# KiCad board pcb.kicad_pcb (continued)
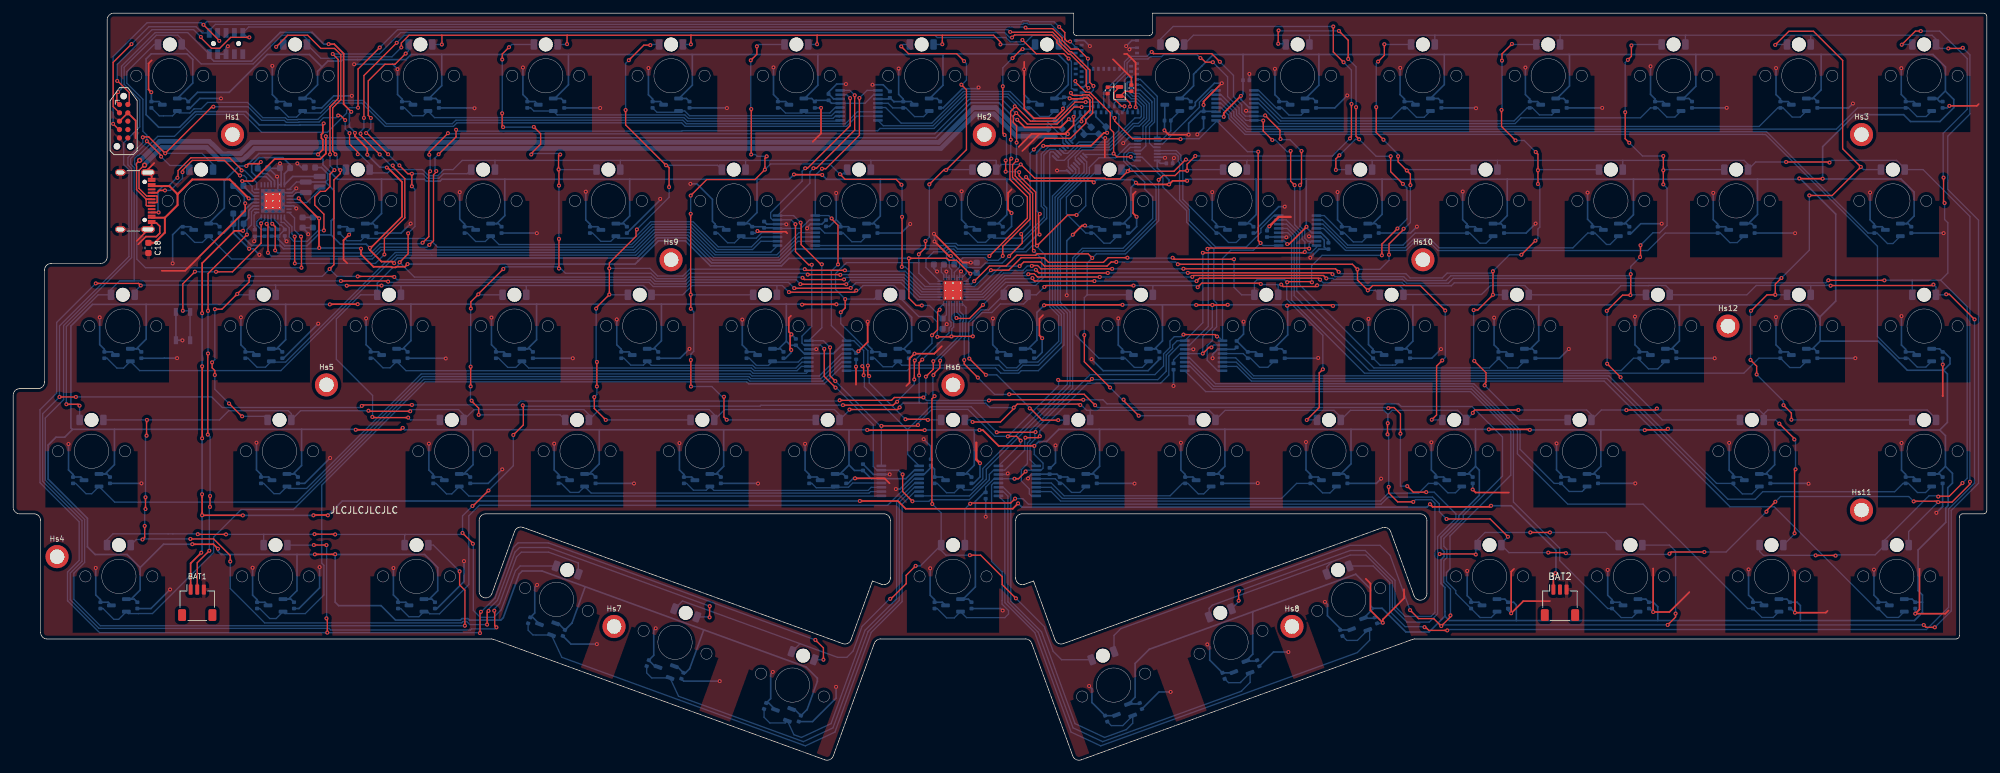
[diagram p0: board, top side]
## Routing (per net, layer and track width the routed paths; a pad name or vN(x,y) marks a point on that pad's centre or on a via; arc(x,y) is an arc through that point) (continued)
/AIN0: length 22
  Bottom w0.2: MUXA1.4 161.03,91.09 161.03,91.53 162.09,92.59 166.36,92.59 169.97,96.2 170.74,96.2 171.85,97.32 171.85,99.46 170.56,100.76 169.75,100.76 168.92,101.59 168.9,101.59 168.9,102.6 168.9,102.6 168.9,102.8 169,102.9 MDBT1.11
/AIN1: length 24.4
  Bottom w0.2: MDBT1.9 169,103.7 168.5,103.19 168.5,101.39 169.53,100.36 170.39,100.36 171.45,99.3 171.45,97.48 170.57,96.6 169.81,96.6 166.19,92.99 161.93,92.99 159.97,91.03 159.97,90.03 MUXA1.7
/AIN2: length 13.2
  Bottom w0.2: MDBT1.20 167.65,98 167.65,95.58 165.86,93.79 161.59,93.79 159.87,92.06 159.35,92.06 MUXA1.12
/AIN3: length 22.6
  Bottom w0.2: MUXA1.9 158.29,91 159.38,91 161.76,93.39 166.02,93.39 170.08,97.45 170.85,97.45 171.05,97.65 171.05,99.13 170.23,99.96 167.21,99.96 166.95,99.7 MDBT1.21
/AIN4: length 10.8
  Bottom w0.2: MDBT1.13 169.5,101.58 169.92,101.16 170.72,101.16 172.25,99.63 172.25,97.15 171.3,96.2 171.3,94.26 171.03,93.99 MUXA2.7 170.43,93.95
/AIN5: length 10.4
  Bottom w0.2: MDBT1.10 170.9,103.3 173.47,100.73 MUXA2.9
/AIN6: length 11.7
  Bottom w0.2: MUXA2.4 171.03,92.49 171.74,93.19 171.74,96.07 172.65,96.99 172.65,99.79 172.65,99.79 172.65,99.94 170.9,101.7 MDBT1.14
/AIN7: length 12
  Bottom w0.2: MDBT1.12 170.9,102.5 173.05,100.34 173.05,96.82 172.29,96.05 172.29,93.61 172.91,92.99 MUXA2.12
/ANA_01: length 116.4
  Bottom w0.2: MUXB1.7 127.91,97.72 126.35,96.16 101.89,96.16 101.36,96.69 67.28,96.69 66.75,96.16 56.42,96.16 52.89,99.7 48.68,99.7 46.21,97.23 43.18,97.23 43.13,97.18 41.57,97.18 41.27,97.48 37.84,97.48 35.52,99.8 29.47,99.8 28.5,98.83 27.43,98.83 26.8,98.2 25.19,98.2 TMR1.2 24.16,97.77 22.76,97.77 22.76,97.76 22.16,97.76 Cvout1.1
/ANA_02: length 95.7
  Bottom w0.2: Cvout2.1 40.35,98.97 41.74,97.58 42.97,97.58 TMR2.2 44.19,98.2 46.62,98.2 48.52,100.1 53.06,100.1 56.59,96.56 66.59,96.56 67.12,97.09 101.53,97.09 102.06,96.56 126.19,96.56 127.99,98.37 MUXB1.6
/ANA_03: length 67.9
  Bottom w0.2: MUXB1.9 125.28,96.97 102.22,96.97 101.69,97.49 63.89,97.49 TMR3.2 62.17,97.78 60.54,97.78 59.35,98.97 Cvout3.1
/ANA_04: length 48.5
  Bottom w0.2: Cvout4.1 78.47,98.97 78.94,98.5 TMR4.2 82.49,97.89 101.86,97.89 102.39,97.37 124.3,97.37 124.65,97.72 MUXB1.10 125.24,97.57
/ANA_05: length 29.5
  Bottom w0.2: 125.24,98.22 MUXB1.11 124.65,98.37 124.06,97.78 102.55,97.78 101.83,98.5 TMR5.2 100.7,98.31 97.61,98.31 Cvout5.1
/ANA_06: length 10.4
  Bottom w0.2: Cvout6.1 116.33,98.97 117.11,98.19 119.58,98.19 TMR6.2 120.19,98.2 123.82,98.2 124.64,99.02 MUXB1.12
/ANA_07: length 9
  Bottom w0.2: MUXB1.4 132.67,99.67 133.37,98.97 Cvout7.1 135.35,98.97 136.67,97.65 138.04,97.65 TMR7.2
/ANA_08: length 31.7
  Bottom w0.2: TMR8.2 157.06,97.67 155.64,97.67 154.34,98.97 Cvout8.1 153.64,98.97 151.15,101.46 144.09,101.46 139.29,96.66 134.64,96.66 132.28,99.02 MUXB1.5
/ANA_09: length 6.3
  Bottom w0.2: MUXA2.10 174.03,93.99 175.53,95.49 Cvout9.1 175.53,97.14 TMR9.2
/ANA_10: length 9.6
  Bottom w0.2: TMR10.2 195.27,97.88 193.44,97.88 192.35,98.97 Cvout10.1 191.5,98.97 188.85,101.62 MUXB5.9
/ANA_11: length 29.9
  Bottom w0.2: MUXB5.10 188.85,100.97 192.4,97.42 209,97.42 210.55,98.97 Cvout11.1 211.35,98.97 212.77,97.55 213.94,97.55 TMR11.2
/ANA_12: length 48.7
  Bottom w0.2: TMR12.2 233.29,97.9 231.42,97.9 230.35,98.97 Cvout12.1 229.55,98.97 227.57,96.99 192.18,96.99 188.85,100.32 MUXB5.11
/ANA_13: length 68
  Bottom w0.2: MUXB5.12 188.85,99.67 191.93,96.59 227.74,96.59 228.62,97.47 246.74,97.47 248.24,98.97 Cvout13.1 249.35,98.97 250.74,97.58 251.97,97.58 TMR13.2
/ANA_14: length 94
  Bottom w0.2: TMR14.2 270.97,97.58 269.74,97.58 268.35,98.97 Cvout14.1 267.55,98.97 264.73,96.15 187.27,96.15 185.48,97.93 185.48,98.62 183.12,100.97 MUXB5.7
/ANA_15: length 113
  Bottom w0.2: TMR15.2 290.05,97.66 288.66,97.66 287.35,98.97 Cvout15.1 279.65,98.97 276.43,95.75 187.1,95.75 185.08,97.77 185.08,98.37 183.12,100.32 MUXB5.6
/ANA_16: length 103.2
  Bottom w0.2: MUXB2.5 119.14,80.02 115.79,76.67 106.41,76.67 102.59,80.49 97.16,80.49 94.08,77.41 55.82,77.41 54.44,76.03 33.11,76.03 TMR16.2 28.69,78.55 27.52,78.55 26.1,79.97 Cvout16.1
/ANA_17: length 71.2
  Bottom w0.2: MUXB2.9 114.88,77.07 106.58,77.07 102.76,80.89 96.99,80.89 93.93,77.83 64.35,77.83 63.36,78.82 62.67,78.82 62.34,79.15 53.74,79.15 TMR17.2 52.7,78.81 50.61,78.81 Cvout17.1
/ANA_18: length 52.2
  Bottom w0.2: MUXB2.10 113.36,78.72 112.11,77.47 106.74,77.47 102.92,81.29 96.83,81.29 93.77,78.23 73.66,78.23 TMR18.2 71.58,78.69 70.13,78.69 68.85,79.97 Cvout18.1
/ANA_19: length 32.6
  Bottom w0.2: Cvout19.1 87.85,79.97 89.11,78.71 90.6,78.71 TMR19.2 91.69,79.2 94.17,79.2 96.66,81.69 103.09,81.69 106.91,77.87 111.94,77.87 113.45,79.37 MUXB2.11
/ANA_20: length 10.9
  Bottom w0.2: MUXB2.12 113.5,80.02 112.68,79.2 110.69,79.2 TMR20.2 109.38,78.49 108.33,78.49 106.85,79.97 Cvout20.1
/ANA_21: length 9
  Bottom w0.2: MUXB2.4 122.35,80.67 123.05,79.97 Cvout21.1 125.85,79.97 127.17,78.65 128.54,78.65 TMR21.2
/ANA_22: length 28.3
  Bottom w0.2: MUXA1.13 159.3,92.81 158.76,93.35 157.25,93.35 155.88,91.97 155.88,84.04 156.31,83.61 156.31,82.37 153.13,79.2 148.69,79.2 TMR22.2 148.37,79.5 147.44,78.57 146.25,78.57 144.85,79.97 Cvout22.1
/ANA_23: length 27.2
  Bottom w0.2: MUXA2.6 169.22,93.49 167.13,91.4 164.64,91.4 163.17,89.93 163.17,88.9 159.69,85.42 159.69,82.9 162.62,79.97 Cvout23.1 163.85,79.97 165.39,78.43 166.32,78.43 TMR23.2
/ANA_24: length 22.9
  Bottom w0.2: MUXA2.13 176.35,92.49 177.05,91.79 177.05,91.01 177.35,90.71 177.35,85.06 182.45,79.97 Cvout24.1 182.85,79.97 184.28,78.54 185.43,78.54 TMR24.2
/ANA_25: length 9.8
  Bottom w0.2: TMR25.2 204.51,78.62 203.2,78.62 201.85,79.97 Cvout25.1 198.79,82.62 MUXB6.9
/ANA_26: length 30.2
  Bottom w0.2: MUXB6.10 198.51,81.97 202.34,78.14 210.74,78.14 212.57,79.97 Cvout26.1 220.85,79.97 222.39,78.43 223.32,78.43 TMR26.2
/ANA_27: length 50.6
  Bottom w0.2: MUXB6.11 198.59,81.32 202.18,77.74 211.03,77.74 212.4,79.11 214.82,79.11 216.21,77.72 236.49,77.72 238.74,79.97 Cvout27.1 239.85,79.97 241.58,78.24 242.13,78.24 TMR27.2
/ANA_28: length 69.4
  Bottom w0.2: TMR28.2 261.41,78.52 260.3,78.52 258.85,79.97 Cvout28.1 250.5,79.97 247.85,77.32 216.04,77.32 214.65,78.71 212.57,78.71 211.2,77.34 202.01,77.34 198.68,80.67 MUXB6.12
/ANA_29: length 113.3
  Bottom w0.2: TMR29.2 285.02,78.38 284.19,78.38 282.6,79.97 Cvout29.1 281.24,79.97 265.86,95.35 186.94,95.35 184.68,97.6 184.68,98.12 183.12,99.67 MUXB5.5
/ANA_30: length 120.7
  Bottom w0.2: MUXB2.7 118.98,78.72 116.12,75.87 106.08,75.87 102.29,79.66 97.46,79.66 94.41,76.61 63.46,76.61 58.11,76.61 40.59,59.09 19.17,59.09 TMR30.2 16.73,59.47 15.72,59.47 14.22,60.97 Cvout30.1
/ANA_31: length 98.4
  Bottom w0.2: MUXB2.6 119.06,79.37 115.96,76.27 106.25,76.27 102.45,80.06 97.3,80.06 94.24,77.01 63.29,77.01 57.93,77.01 41.31,60.38 39.25,60.38 TMR31.2 38.25,59.61 36.96,59.61 35.6,60.97 Cvout31.1
/ANA_32: length 68.4
  Bottom w0.2: MUXB3.9 120.24,58.68 112.19,58.68 111.8,59.07 59.56,59.07 TMR32.2 57.16,59.52 56.05,59.52 54.6,60.97 Cvout32.1
/ANA_33: length 49.2
  Bottom w0.2: MUXB3.10 119.5,59.72 118.86,59.08 112.36,59.08 111.95,59.48 78.15,59.48 TMR33.2 76.22,59.58 74.99,59.58 73.6,60.97 Cvout33.1
/ANA_34: length 29.9
  Bottom w0.2: MUXB3.11 119.59,60.37 118.69,59.48 112.52,59.48 112.11,59.89 96.75,59.89 TMR34.2 95.56,59.92 93.65,59.92 92.6,60.97 Cvout34.1
/ANA_35: length 10.5
  Bottom w0.2: MUXB3.12 119.67,61.02 119.04,60.38 115.25,60.38 TMR35.2 114.52,59.88 112.69,59.88 111.6,60.97 Cvout35.1
/ANA_36: length 60.8
  Bottom w0.2: MUXA1.6 161.12,89.59 161.12,89.11 157.58,85.58 157.58,68.93 158.93,67.59 158.93,63.34 155.48,59.89 153.09,59.89 152.3,59.1 150.28,59.1 149.47,59.91 134.72,59.91 TMR36.2 133.32,59.68 131.89,59.68 130.6,60.97 Cvout36.1
/ANA_37: length 42.2
  Bottom w0.2: MUXA1.10 158.24,91.75 157.7,92.29 157.32,92.29 157.16,92.12 157.16,91.84 157.14,91.82 157.14,91.51 157.16,91.49 157.16,68.79 158.53,67.42 158.53,63.53 155.38,60.38 153.25,60.38 TMR37.2 153.13,60.5 152.15,59.52 150.65,59.52 Cvout37.1
/ANA_38: length 53.5
  Bottom w0.2: MUXA2.3 169.91,91.99 169.7,92.2 169.18,92.2 168.82,91.84 168.82,91.01 169.63,90.2 170.01,90.2 173.28,86.93 173.28,82.03 168.5,77.25 162.26,77.25 161.06,76.05 161.06,64.52 164.61,60.97 Cvout38.1 168.6,60.97 169.99,59.58 171.22,59.58 TMR38.2
/ANA_39: length 9
  Bottom w0.2: TMR39.2 190.24,59.6 188.97,59.6 187.6,60.97 Cvout39.1 186.5,61.67 MUXB7.4
/ANA_40: length 32.2
  Bottom w0.2: TMR40.2 209.57,59.93 209.17,59.93 209.16,59.92 207.25,59.92 Cvout40.1 195.03,72.14 195.03,79.94 193,81.97 MUXB6.7
/ANA_41: length 53.1
  Bottom w0.2: MUXB6.6 193.09,81.32 194.63,79.78 194.63,71.18 206.32,59.5 223.81,59.5 225.2,60.89 Cvout41.1 226.59,59.58 226.59,59.5 228.14,59.5 TMR41.2
/ANA_42: length 75
  Bottom w0.2: TMR42.2 249.42,59.41 249.41,59.41 249.35,59.35 247.95,59.35 246.57,60.72 Cvout42.1 245.68,60.97 243.81,59.1 205.62,59.1 194.23,70.49 194.23,79.61 193.17,80.67 MUXB6.5
/ANA_43: length 96.4
  Bottom w0.2: TMR43.2 270.95,59.56 269.38,59.56 267.97,60.97 Cvout43.1 264.68,60.97 262.41,58.7 204.89,58.7 193.83,69.76 193.83,79.44 193.25,80.02 MUXB6.4
/ANA_44: length 133.5
  Bottom w0.2: TMR44.2 290.02,59.63 288.69,59.63 287.35,60.97 Cvout44.1 285.97,60.97 282.67,64.27 282.67,77.97 265.7,94.94 265.21,94.94 265.2,94.95 186.77,94.95 184.28,97.44 184.28,97.87 183.12,99.02 MUXB5.4
/ANA_45: length 128.7
  Bottom w0.2: Cvout45.1 9.47,41.97 11.04,40.4 11.91,40.4 TMR45.2 15.39,39.12 43,39.12 62.06,58.18 111.56,58.18 111.86,57.88 122.48,57.88 125.63,61.02 MUXB3.5
/ANA_46: length 98.7
  Bottom w0.2: MUXB3.4 125.63,61.67 122.23,58.28 112.03,58.28 111.73,58.58 61.87,58.58 44.49,41.2 41.81,41.2 TMR46.2 40.42,40.41 39.53,40.41 37.98,41.97 Cvout46.1
/ANA_47: length 69.7
  Bottom w0.2: MUXB4.9 130.9,40.07 130.88,40.05 69.09,40.05 TMR47.2 66.51,40.37 65.7,40.37 64.1,41.97 Cvout47.1
/ANA_48: length 50.4
  Bottom w0.2: MUXB4.10 130.01,40.72 129.78,40.49 87.64,40.49 TMR48.2 86.64,41.47 85.76,40.6 84.47,40.6 83.1,41.97 Cvout48.1
/ANA_49: length 31.1
  Bottom w0.2: MUXB4.11 130.09,41.37 129.62,40.89 106.24,40.89 TMR49.2 105.64,41.47 105.09,40.93 103.14,40.93 102.1,41.97 Cvout49.1
/ANA_50: length 11.6
  Bottom w0.2: MUXB4.12 127.29,42.02 126.66,41.38 124.75,41.38 TMR50.2 124.64,41.47 124.47,41.31 121.76,41.31 121.1,41.97 Cvout50.1
/ANA_51: length 65.4
  Bottom w0.2: Cvout51.1 140.1,41.97 141.52,40.55 142.69,40.55 TMR51.2 144.16,40.98 145.34,40.98 147.01,42.65 147.01,44.21 159.84,57.04 159.84,67.8 158.38,69.26 158.38,85.24 162.37,89.23 162.37,90.47 161.8,91.05 MUXA1.3
/ANA_52: length 8.8
  Bottom w0.2: TMR52.2 161.74,40.6 160.47,40.6 159.1,41.97 Cvout52.1 158,42.67 MUXB8.4
/ANA_53: length 29.2
  Bottom w0.2: MUXB8.5 157.41,42.02 159.34,40.09 175.42,40.09 177.3,41.97 Cvout53.1 178.1,41.97 179.69,40.38 180.52,40.38 TMR53.2
/ANA_54: length 48.2
  Bottom w0.2: MUXB8.6 157.4,41.37 159.08,39.69 192.32,39.69 194.6,41.97 Cvout54.1 197.1,41.97 198.54,40.53 199.67,40.53 TMR54.2
/ANA_55: length 67.2
  Bottom w0.2: TMR55.2 218.68,40.54 217.53,40.54 216.1,41.97 Cvout55.1 214.59,41.97 213.11,40.49 208.52,40.49 207.32,39.29 158.8,39.29 157.37,40.72 MUXB8.7
/ANA_56: length 71.5
  Bottom w0.2: MUXB7.12 178.37,61.02 182.3,57.1 221.47,57.1 228.48,50.08 228.48,47.14 233.65,41.97 Cvout56.1 235.93,40.74 237.89,40.74 238.11,40.96 238.11,40.97 TMR56.2
/ANA_57: length 90.6
  Bottom w0.2: MUXB7.5 185.36,61.02 188.08,58.3 241.94,58.3 258.27,41.97 Cvout57.1 260.82,41.73 262.19,40.37 263.63,40.37 TMR57.2
/ANA_58: length 118.1
  Bottom w0.2: TMR58.2 289.97,40.58 288.74,40.58 287.35,41.97 Cvout58.1 286.55,41.97 285.28,40.7 265.27,40.7 264.14,39.57 259.98,39.57 241.65,57.9 187.92,57.9 185.44,60.37 MUXB7.6
/ANA_59: length 131.9
  Bottom w0.2: Cvout59.1 13.62,22.97 15.27,21.33 15.99,21.33 TMR59.2 17.46,22.2 18.99,22.2 19,22.21 21.12,22.21 30.39,31.48 30.39,33.82 34.57,38 42.48,38 62.26,57.78 111.39,57.78 111.69,57.48 122.73,57.48 125.63,60.37 MUXB3.6
/ANA_60: length 116.6
  Bottom w0.2: MUXB3.7 125.63,59.72 122.98,57.07 111.53,57.07 111.23,57.37 62.46,57.37 46.78,41.7 46.78,29.85 47.11,29.52 47.11,25.03 44.28,22.2 41.21,22.2 TMR60.2 39.86,21.45 38.9,21.45 37.38,22.97 Cvout60.1
/ANA_61: length 94.6
  Bottom w0.2: MUXB4.4 136.63,42.67 132.6,38.65 70.69,38.65 69.08,37.04 69.08,26.6 64.64,22.17 63.15,22.17 62.82,22.5 TMR61.2 61.52,21.73 59.99,21.73 58.75,22.97 Cvout61.1
/ANA_62: length 93.7
  Bottom w0.2: 81.61,18.95 79.27,18.95 78.79,18.97 78.07,19.68 Cvout62.1 ; MUXB4.7 136.71,40.72 134.78,38.8 134.78,24.02 130.11,19.35 124.6,4.21 120.11,2.12 83.19,15.56 TMR62.2
/ANA_63: length 74.1
  Bottom w0.2: Cvout63.1 96.05,13.2 96.82,12.43 TMR63.2 100.89,9.65 119.81,2.76 124.3,4.85 129.61,19.45 129.61,19.47 134.35,24.21 134.35,39.1 136.63,41.37 MUXB4.6
/ANA_64: length 55
  Bottom w0.2: MUXB4.5 136.69,42.02 133.95,39.28 133.95,24.46 129.16,19.67 124,5.49 119.51,3.4 118.38,3.81 TMR64.2 117.06,5.6 114.72,5.6 113.85,6.47 Cvout64.1
/ANA_65: length 34.6
  Bottom w0.2: MUXB8.12 148.66,42.02 148.35,41.71 148.35,30.13 149.95,28.53 149.95,24.19 149.94,24.18 149.94,23.64 150.92,22.66 150.92,22.15 150.36,21.59 144.55,21.59 TMR65.2 142.69,21.55 141.52,21.55 140.1,22.97 Cvout65.1
/ANA_66: length 55.6
  Bottom w0.2: Cvout66.1 166.49,5.2 168.24,5.2 TMR66.2 169.75,5.56 168.78,4.59 168.76,4.59 165.49,3.4 161,5.49 155.93,19.43 151.27,24.08 151.27,40.23 150.12,41.37 MUXB8.11
/ANA_67: length 75.2
  Bottom w0.2: Cvout67.1 184.27,11.72 186.11,11.72 186.11,11.77 TMR67.2 187.55,11.75 186.25,10.46 186.25,10.43 165.19,2.76 160.7,4.85 155.41,19.37 150.82,23.97 150.82,40.03 150.12,40.72 MUXB8.10
/ANA_68: length 94.6
  Bottom w0.2: MUXB8.9 150.36,39.1 150.36,23.86 154.9,19.32 160.4,4.21 164.89,2.12 203.8,16.28 205.67,18.15 205.67,19.44 TMR68.2 203.82,18.13 202.21,18.13 Cvout68.1
/ANA_69: length 90.6
  Bottom w0.2: TMR69.2 224.1,21.61 222.42,21.61 222.21,21.82 222.2,21.82 Cvout69.1 218.72,25.29 218.72,25.69 217.32,27.09 217.32,28.45 217.85,28.97 217.85,33.99 227.07,43.21 227.07,49.79 220.97,55.9 180.81,55.9 MUXB7.9
/ANA_70: length 92.3
  Bottom w0.2: TMR70.2 245.46,21.6 243.82,21.6 242.45,22.97 Cvout70.1 241.77,22.97 234.49,30.25 234.49,32.12 227.47,39.14 227.47,49.96 221.14,56.3 181.88,56.3 178.46,59.72 MUXB7.10
/ANA_71: length 108.6
  Bottom w0.2: MUXB7.11 178.37,60.37 182.05,56.7 221.3,56.7 228.08,49.92 228.08,46.45 235.71,38.82 247.13,38.82 262.98,22.97 Cvout71.1 265.15,21.62 266.86,21.62 TMR71.2
/ANA_72: length 119.5
  Bottom w0.2: TMR72.2 285.86,21.62 284.15,21.62 Cvout72.1 282.46,22.97 267.01,38.42 260.31,38.42 241.23,57.5 187.75,57.5 185.53,59.72 MUXB7.7
/CS0: length 166.3
  Top w0.2: v1(166.32,56.52) 162.41,60.43 v1(162.41,64.49) ; v1(168.36,54.69) 168.42,54.63 168.42,54.48 v1(170.66,52.24) ; v1(179.24,91.67) 177.99,90.41 177.99,89.44 v1(178,89.42) 176.9,89.42 176.17,88.7 174.33,88.7 v1(173.68,88.05) ; v1(163.62,76.18) 162.99,76.81 155.25,76.81 155.05,76.61 152.18,76.61 150.55,74.98 148.03,74.98 v1(145.71,72.66) ; v1(202.91,99.58) 202.91,94.56 v1(202.69,94.34) ; v1(200.16,111.33) 200.16,107.46 v1(201.72,105.9)
  Bottom w0.2: v1(170.66,52.24) 178.06,52.24 D53.1 ; v1(168.36,54.69) 168.15,54.69 v1(166.32,56.52) ; v1(162.41,64.49) 162.41,70.16 162.84,70.59 ; v1(200.16,111.33) 175.88,111.33 173.95,109.4 D9.1 ; v1(173.68,88.05) 173.68,81.83 168.65,76.8 164.23,76.8 162.84,75.41 162.84,70.59 ; v1(202.69,94.34) 200.02,91.67 v1(179.24,91.67) ; v1(178,89.42) 178.17,89.6 D24.1 ; D38.1 162.85,70.6 162.84,70.59 ; v1(145.71,72.66) 145.3,72.25 LEDDR1.2 ; v1(201.72,105.9) 202.91,104.71 v1(202.91,99.58)
/CS1: length 163.6
  Top w0.2: v1(185.11,76) 176.02,76 v1(175.8,76.22) ; v1(207.53,76.59) 207.53,78.3 v1(209.9,80.66) ; v1(204.08,94.2) 203.61,94.67 v1(203.61,99.09) ; v1(198.58,59.29) 198.03,58.74 198.03,53.48 v1(196.14,51.59) ; v1(191.86,110.73) 191.81,110.68 v1(191.81,108.7) ; v1(193.16,72.5) 193.26,72.59 196.83,72.59 v1(196.93,72.49) ; v1(202.42,106.39) 202.42,109.25 v1(201.01,110.66) ; v1(208.86,91.63) 208.86,89.29 v1(210.72,87.43) ; v1(201.09,91.78) 200.55,91.24 v1(200.55,89.55) ; v1(148.24,74.33) 150.94,74.33 152.82,76.21 156.28,76.21 156.96,75.53 165.32,75.53 166.02,76.23 v1(168.95,76.23)
  Bottom w0.2: v1(201.09,91.78) 203.51,94.2 v1(204.08,94.2) 206.65,91.63 v1(208.86,91.63) ; v1(200.55,89.55) 200.6,89.6 D25.1 ; D54.1 196.15,51.6 v1(196.14,51.59) ; v1(210.72,87.43) 211.33,86.82 211.33,82.1 v1(209.9,80.66) ; v1(168.95,76.23) 169.01,76.17 175.75,76.17 v1(175.8,76.22) ; LEDDR1.3 145.76,71.85 v1(148.24,74.33) ; v1(198.58,59.29) 198.58,64.44 193.1,69.92 193.1,72.44 v1(193.16,72.5) 192.78,72.89 188.61,72.89 188.2,72.48 D39.1 186.25,70.6 185.11,71.74 v1(185.11,76) ; v1(201.01,110.66) 191.93,110.66 v1(191.86,110.73) ; v1(202.42,106.39) 203.61,105.2 v1(203.61,99.09) ; v1(196.93,72.49) 196.87,72.55 196.87,75 198.46,76.59 v1(207.53,76.59) ; v1(191.81,108.7) 192.85,108.7 D10.1
/CS2: length 157.1
  Top w0.2: v1(215.09,51.63) 215.82,52.36 215.82,59.77 v1(216.68,60.63) ; v1(210.82,80.62) 210.82,80.53 208.61,78.32 v1(208.61,76.67) ; v1(176.59,75.23) 203.06,75.23 v1(203.83,74.46) 203.83,72.84 v1(205.4,71.27) 206.13,72 213.35,72 v1(217.14,68.21) ; v1(209.99,91.64) 209.99,90.78 v1(211.31,89.46) 211.85,88.92 v1(211.85,87.25) ; v1(152.6,74.95) 153.23,75.58 155.75,75.58 156.37,74.96 165.86,74.96 166.48,75.58 v1(167.26,75.58) ; v1(206.95,106) 207.9,106.95 v1(207.9,108.64) ; v1(206.67,99.09) 206.67,95.24 v1(207.77,94.14)
  Bottom w0.2: v1(211.31,89.46) 211.45,89.6 D26.1 ; v1(207.9,108.64) 207.94,108.6 D11.1 ; D40.1 206.53,71.27 v1(205.4,71.27) ; v1(215.09,51.63) 215.12,51.6 D55.1 ; v1(206.95,106) 206.67,105.72 v1(206.67,99.09) ; v1(167.26,75.58) 176.24,75.58 v1(176.59,75.23) ; v1(217.14,68.21) 217.14,61.09 v1(216.68,60.63) ; v1(208.61,76.67) 208.61,75.85 207.22,74.46 v1(203.83,74.46) ; LEDDR1.4 146.25,71.45 149.75,74.95 v1(152.6,74.95) ; v1(209.99,91.64) 209.99,91.92 v1(207.77,94.14) ; v1(211.85,87.25) 211.85,81.56 210.91,80.62 v1(210.82,80.62)
/CS3: length 174.5
  Top w0.2: v1(166.63,74.54) 155.83,74.54 155.33,75.04 154.51,75.04 v1(154.45,74.97) ; v1(223.11,56.85) 223.11,57.13 223.31,57.33 223.31,58.78 v1(221.53,60.56) ; v1(231.19,87.42) v1(231.19,89.51) 231.19,91.94 v1(230.85,92.28) ; v1(200.98,74.07) 200.5,74.55 v1(177.43,74.55) ; v1(227.79,94.03) 225.67,96.15 v1(225.67,98.67) ; v1(230.82,78.82) v1(228.68,76.67) ; v1(227.25,108.68) 225.74,107.17 v1(225.74,106.14) ; v1(221.44,68.28) 222.06,68.28 v1(224.37,70.59) 224.37,74.16 v1(224.36,74.17)
  Bottom w0.2: v1(221.53,60.56) 221.44,60.65 v1(221.44,68.28) ; LEDDR1.5 146.75,71.05 150,74.3 153.09,74.3 153.76,74.97 v1(154.45,74.97) ; D41.1 224.38,70.6 v1(224.37,70.59) ; v1(225.67,98.67) 225.74,98.74 v1(225.74,106.14) ; D12.1 227.33,108.6 v1(227.25,108.68) ; D27.1 231.28,89.6 v1(231.19,89.51) ; v1(230.82,78.82) 231.19,79.19 231.19,80.59 231.48,80.88 231.48,87.13 v1(231.19,87.42) ; D56.1 228.36,51.6 v1(223.11,56.85) ; v1(228.68,76.67) 226.87,76.67 v1(224.36,74.17) 224.08,73.89 217.42,73.89 216.69,73.16 211.8,73.16 211.16,73.8 201.25,73.8 v1(200.98,74.07) ; v1(227.79,94.03) 229.1,94.03 v1(230.85,92.28) ; v1(177.43,74.55) 177.42,74.54 v1(166.63,74.54)
/CS4: length 201.8
  Top w0.2: v1(241.68,60.13) 243.72,58.09 v1(243.72,58.08) ; v1(246.68,76.32) 246.74,76.38 v1(246.74,78.12) ; v1(165.98,73.91) 155.54,73.91 v1(155.06,74.39) ; v1(250.2,87.36) v1(250.2,89.51) v1(250.2,91.67) ; v1(245.36,108.45) 245.36,106.8 v1(244.82,106.26) ; v1(200.04,73.72) 199.83,73.93 v1(178.1,73.93) ; v1(244.42,98.32) 244.42,94.29 v1(245.04,93.67) ; v1(245.26,73.74) 245.26,70.6 v1(245.21,70.55) 244.02,70.55 v1(241.62,68.15)
  Bottom w0.2: v1(200.04,73.72) 200.41,73.35 210.84,73.35 211.43,72.76 217.25,72.76 217.98,73.49 245.01,73.49 v1(245.26,73.74) 245.26,74.9 v1(246.68,76.32) ; v1(250.2,89.51) 250.29,89.6 D28.1 ; v1(244.82,106.26) 244.42,105.86 v1(244.42,98.32) ; v1(245.04,93.67) 247.04,91.67 v1(250.2,91.67) ; v1(155.06,74.39) 155.01,74.33 153.69,74.33 153.25,73.9 150.16,73.9 146.91,70.65 LEDDR1.6 ; D13.1 245.51,108.6 v1(245.36,108.45) ; D42.1 245.26,70.6 v1(245.21,70.55) ; v1(165.98,73.91) 166,73.93 v1(178.1,73.93) ; v1(241.68,60.13) 241.68,68.09 v1(241.62,68.15) ; v1(250.2,87.36) 250.77,86.79 250.77,81.13 249.65,80.01 248.63,80.01 v1(246.74,78.12) ; D57.1 250.04,51.6 243.72,57.92 v1(243.72,58.08)
/CS5: length 232.2
  Top w0.2: v1(164.76,73.3) 155.3,73.3 154.81,73.79 153.99,73.79 v1(153.92,73.72) ; v1(268.42,53.84) 269.62,52.64 v1(269.62,51.63) ; v1(178.78,73.32) 178.99,73.53 198.67,73.53 v1(199.11,73.09) ; v1(267.17,108.53) 269.24,110.6 272.97,110.6 277.39,106.18 277.39,92.77 v1(280.15,90.01) 275.82,85.68 v1(272.34,85.68) ; v1(263.49,68.16) 265.92,70.59 v1(267.18,70.59) 267.18,72.22 v1(268.11,73.15) ; v1(264.35,58.5) 264.35,59.78 v1(263.42,60.71)
  Bottom w0.2: v1(164.76,73.3) 178.76,73.3 v1(178.78,73.32) ; v1(268.42,53.84) 268.42,54.43 v1(264.35,58.5) ; D29.1 280.56,89.6 v1(280.15,90.01) ; v1(153.92,73.72) 153.7,73.5 150.33,73.5 147.08,70.25 LEDDR1.7 ; v1(267.18,70.59) 267.19,70.6 D43.1 ; v1(272.34,85.68) 272.34,77.38 v1(268.11,73.15) 268.05,73.09 218.34,73.09 217.61,72.36 211.26,72.36 210.67,72.95 200.24,72.95 200.1,73.09 v1(199.11,73.09) ; v1(263.42,60.71) 263.42,68.09 v1(263.49,68.16) ; v1(269.62,51.63) 269.65,51.6 D58.1 ; D14.1 267.24,108.6 v1(267.17,108.53)
/CS6: length 272.6
  Top w0.2: v1(292.69,88.39) 292.69,84.69 v1(292.85,84.53) ; v1(295.56,42.02) 293.56,40.02 291.94,40.02 v1(291.88,39.96) ; v1(289.24,110.63) 288.42,110.63 v1(286.35,108.56) ; v1(275.22,72.8) 275.23,72.79 v1(283.73,72.79) ; v1(163.94,72.68) 154.86,72.68 154.54,72.99 v1(154.54,73.14) ; v1(179.42,72.67) 179.88,73.13 197.92,73.13 v1(198.16,72.89) ; v1(276.32,31) 276.28,31.04 v1(273.29,31.04)
  Bottom w0.2: D44.1 287.95,72.8 287.94,72.81 ; v1(289.24,110.63) 292.1,110.63 296.28,106.45 296.28,98.75 292.63,95.11 292.63,88.45 v1(292.69,88.39) ; v1(163.94,72.68) 163.95,72.67 v1(179.42,72.67) ; 292.25,72.81 293.34,73.9 293.34,81.53 292.85,82.02 v1(292.85,84.53) ; 292.25,72.81 296.28,68.78 296.28,42.73 v1(295.56,42.02) ; 292.25,72.81 287.94,72.81 ; v1(283.73,72.79) 283.75,72.81 287.94,72.81 ; v1(198.16,72.89) 198.63,72.42 210.61,72.42 211.07,71.96 218.05,71.96 218.51,72.42 274.84,72.42 v1(275.22,72.8) ; v1(286.35,108.56) 286.39,108.6 D15.1 ; D71.1 264.8,31.63 265.38,31.05 273.28,31.05 v1(273.29,31.04) ; LEDDR1.8 147.26,69.85 150.45,73.04 154.44,73.04 v1(154.54,73.14) ; v1(276.32,31) 276.44,31.12 282.32,31.12 D72.1 283.8,33.4 290.49,40.09 291.75,40.09 v1(291.88,39.96)
/CS7: length 193.8
  Top w0.2: v1(208.5,53.39) 208.59,53.48 209.38,53.48 210.34,52.52 v1(210.34,49.51) ; v1(144.2,60.69) 144.2,60.09 v1(146.27,58.02) ; v1(151.01,55.5) 162.38,55.5 v1(164.05,53.83) ; v1(214.25,40.64) 212.28,40.64 v1(211.37,41.55) ; v1(216.28,31.24) 216.3,31.25 221.68,31.25 v1(221.77,31.17) ; v1(230.03,34.52) 233,34.52 v1(233.01,34.52)
  Bottom w0.2: v1(214.25,40.64) 215.45,40.64 218.75,37.34 218.75,36.65 215.98,33.88 215.98,31.54 v1(216.28,31.24) 215.97,30.93 215.97,22.17 214.72,20.92 211.32,20.92 209.12,23.12 209.12,27.08 205.11,31.09 202.72,31.09 199.95,30.08 ; v1(208.5,53.39) 208.41,53.48 164.4,53.48 v1(164.05,53.83) ; 199.95,30.08 199.18,29.31 D68.1 ; 199.95,30.08 181.81,23.48 181.33,23 D67.1 ; v1(230.03,34.52) 223.17,34.52 222.05,33.4 D69.1 221.77,32.32 v1(221.77,31.17) ; v1(144.2,60.69) 144.2,63.99 144.38,64.17 144.38,66.38 144.47,66.48 144.47,68.69 LEDDR1.9 ; v1(233.01,34.52) 241.5,34.52 243.43,32.6 ; v1(210.34,49.51) 210.34,41.58 210.37,41.55 v1(211.37,41.55) ; v1(151.01,55.5) 150.99,55.48 148.81,55.48 v1(146.27,58.02)
/CS8: length 125
  Top w0.2: v1(139.52,58.39) 139.52,58.52 140.51,59.51 140.51,60.56 v1(140.55,60.6) ; v1(139.71,55.21) 139.3,54.8 139.3,38.9 v1(139.36,38.84) ; v1(136.84,29.45) 135.4,28.01 135.4,26.75 133.09,24.44 v1(132.98,24.44) ; v1(145.05,31.07) 146.69,31.07 149.96,27.8 149.96,26.6 v1(152.04,24.52)
  Bottom w0.2: v1(145.05,31.07) 141.43,31.07 140.7,31.8 D65.1 ; LEDDR1.10 143.5,68.08 144.07,67.51 144.07,66.64 143.96,66.53 143.96,64.32 140.55,60.91 v1(140.55,60.6) ; D64.1 118.08,16.43 119.29,17.63 ; v1(152.04,24.52) 156.4,20.16 156.4,20.01 157.69,16.47 158.96,15.19 D66.1 ; 119.29,17.63 125,15.56 126.4,15.56 127.35,16.51 128.71,20.26 132.89,24.44 v1(132.98,24.44) ; 119.29,17.63 101.48,24.12 100.29,22.92 D63.1 ; v1(139.71,55.21) 139.45,55.46 139.45,58.32 v1(139.52,58.39) ; v1(139.36,38.84) 140.7,37.5 D65.1 ; v1(136.84,29.45) 137.55,29.45 D65.1
